# Allegro board BeagleBone AI -64_PCB_V1.02_211119.brd (continued)
## Routing (per net, layer and track width the routed paths; a pad name or vN(x,y) marks a point on that pad's centre or on a via; arc(x,y) is an arc through that point) (continued)
LPDDR4_DQ7: length 31.6
  TOP w0.264: U25.B4 23.99,37.72 24.39,38.04 v1(24.39,38.04) ; U19.A4 v1(2.91,37.58)
  L5-SIGNAL w0.159: v1(24.39,38.04) 24.67,37.76 24.67,37.76 24.78,37.64 24.78,37.1 24.29,36.61 21.61,36.61 20.83,35.82 20.26,35.82 19.89,35.82 19.43,35.36 17.03,35.36 16.55,34.88 12.12,34.88 11.89,35.1 11.89,35.49 12.13,35.72 13.88,35.72 14.07,35.91 14.07,36.22 13.88,36.41 9.66,36.41 8.52,37.55 6.53,37.55 5.64,36.66 3.83,36.66 v1(2.91,37.58)
LPDDR4_DQ8: length 25.5
  TOP w0.264: U19.D1 4.91,40.38 v1(5.31,39.98) ; U25.B11 v1(17.99,37.39)
  L3-SIGNAL w0.159: v1(5.31,39.98) 5.72,39.98 5.88,40.14 6.44,40.14 6.56,40.01 6.56,39.54 6.71,39.39 6.98,39.39 7.15,39.57 7.15,40.06 7.3,40.22 11.53,40.22 12.22,39.53 12.62,39.53 12.78,39.38 12.78,38.19 12.94,38.04 13.33,38.04 13.49,38.19 13.49,42.01 13.6,42.12 14.02,42.12 14.17,41.97 14.17,38.62 14.36,38.44 15.19,38.44 15.2,38.44 18.15,38.44 18.38,38.21 18.38,37.88 v1(17.99,37.39)
LPDDR4_DQ9: length 25.5
  TOP w0.264: U25.C11 v1(17.99,38.04) ; U19.C4 v1(2.91,39.18)
  L3-SIGNAL w0.159: v1(17.99,38.04) 17.29,37.35 15.85,37.35 15.69,37.5 15.69,37.83 15.54,37.98 15.31,37.98 15.16,37.83 15.16,37.5 15.01,37.35 14.78,37.35 14.63,37.5 14.63,37.83 14.48,37.98 14.25,37.98 14.09,37.83 14.09,37.5 13.94,37.35 12.66,37.35 12.32,37.69 12.32,38.84 12.13,39.04 11.91,39.04 11.43,38.55 11.11,38.55 10.9,38.76 10.9,39.63 10.78,39.76 9.94,39.76 9.76,39.58 9.76,39.1 9.61,38.95 9.4,38.95 9.24,39.1 9.24,39.53 9.09,39.68 8.88,39.68 8.71,39.51 8.71,39.07 8.56,38.91 8.33,38.91 8.18,39.07 8.18,39.58 8.01,39.74 7.8,39.74 7.64,39.59 7.64,39.08 7.49,38.93 6.12,38.93 5.71,39.34 5.71,39.35 5.48,39.58 5.47,39.58 5.47,39.59 4.35,39.59 4.11,39.82 4.11,39.9 4.11,39.91 4.11,40.18 3.91,40.38 3.55,40.38 3.31,40.15 3.31,39.59 v1(2.91,39.18)
LPDDR4_DQ10: length 25.5
  TOP w0.264: U25.E11 v1(17.99,39.99) ; v1(5.31,41.58) 4.91,41.98 U19.F1
  L3-SIGNAL w0.159: v1(17.99,39.99) 17.57,39.58 17.14,39.58 17.14,39.58 16.71,39.58 16.56,39.73 15.96,39.73 15.81,39.58 15.49,39.58 15.34,39.73 15.34,42.87 14.89,43.32 11.03,43.32 10.8,43.09 10.8,41.57 10.65,41.42 10.32,41.42 10.17,41.57 10.17,43.11 10.01,43.26 9.71,43.26 9.54,43.09 9.54,41.61 9.39,41.46 9.08,41.46 8.93,41.61 8.93,42.04 8.78,42.2 8.55,42.2 8.4,42.04 8.4,41.61 8.24,41.46 8.01,41.46 7.86,41.61 7.86,42.04 7.71,42.2 7.48,42.2 7.33,42.04 7.33,41.61 7.18,41.46 6.86,41.46 6.72,41.6 6.72,42.04 6.57,42.2 6.33,42.2 6.03,41.9 6.03,41.72 5.89,41.58 v1(5.31,41.58)
LPDDR4_DQ11: length 25.5
  TOP w0.264: U25.F11 18.39,40.32 v1(18.79,39.99) ; U19.G2 v1(4.51,42.38)
  L3-SIGNAL w0.159: v1(4.51,42.38) 4.91,41.99 5.48,41.99 6.14,42.65 8.91,42.65 9.06,42.81 9.06,43.04 8.91,43.19 6.51,43.19 6.36,43.34 6.36,43.57 6.51,43.72 8.02,43.72 8.37,44.07 9.14,44.07 9.5,43.72 15.14,43.72 15.8,43.06 15.8,40.43 16.04,40.19 16.64,40.19 16.89,40.44 18.15,40.44 18.44,40.15 18.63,40.15 v1(18.79,39.99)
LPDDR4_DQ12: length 25.5
  TOP w0.264: v1(4.51,41.58) 4.51,41.58 U19.F2 ; v1(19.59,39.99) 19.99,40.32 U25.F9
  L3-SIGNAL w0.159: v1(19.59,39.99) 19.88,39.99 19.99,40.11 19.99,40.33 19.84,40.48 18.49,40.48 18.12,40.85 17.16,40.85 16.99,41.02 16.45,41.02 16.25,41.22 16.25,43.25 15.33,44.18 9.69,44.18 9.15,44.71 8.09,44.71 7.94,44.56 7.94,44.36 7.78,44.2 7.26,44.2 7.11,44.36 7.11,44.56 6.96,44.71 6.49,44.71 5.75,43.98 5.75,42.95 5.58,42.78 5.07,42.78 4.9,42.94 4.9,43.02 4.91,43.02 4.91,43.35 4.9,43.35 4.9,43.4 4.72,43.59 4.3,43.59 4.11,43.4 4.11,41.74 4.26,41.58 v1(4.51,41.58)
LPDDR4_DQ13: length 25.5
  TOP w0.264: U25.E9 19.99,39.67 v1(20.39,39.99) ; v1(3.71,41.58) 3.71,41.58 U19.F3
  L3-SIGNAL w0.159: v1(20.39,39.99) 20.59,39.99 20.81,40.22 20.81,40.64 20.56,40.9 18.61,40.9 18.2,41.31 17.26,41.31 16.71,41.86 16.71,43.46 15.51,44.66 9.88,44.66 9.37,45.17 6.26,45.17 5.48,44.39 3.52,44.39 3.31,44.18 U19.F3 v1(3.71,41.58)
LPDDR4_DQ14: length 25.5
  TOP w0.264: U25.C9 v1(20.39,38.04) ; U19.D3 v1(3.71,39.98)
  L3-SIGNAL w0.159: v1(3.71,39.98) 3.71,39.74 3.87,39.58 3.88,39.58 4.11,39.35 4.11,39.03 4.11,39.02 4.11,39.02 4.35,38.79 5.62,38.79 5.96,38.45 10.54,38.45 10.78,38.21 10.78,37.52 11.07,37.23 11.69,37.23 12.13,36.79 17.99,36.79 18.78,37.57 18.78,38.06 19.59,38.87 20.84,38.87 21.06,38.65 21.06,37.93 20.79,37.65 20.79,37.07 20.58,36.86 20.22,36.86 19.99,37.1 19.99,37.65 v1(20.39,38.04)
LPDDR4_DQ15: length 25.5
  TOP w0.264: U25.B9 v1(19.59,37.39) ; U19.F5 v1(2.11,41.58)
  L3-SIGNAL w0.159: v1(19.59,37.39) 19.59,36.82 19.8,36.61 19.8,36.28 19.39,35.87 11.7,35.87 11.28,36.28 9.52,36.28 8.69,37.12 1.99,37.12 1.71,37.4 1.71,41.18 v1(2.11,41.58)
LPDDR4_DQ16: length 31.5
  TOP w0.264: v1(2.11,45.58) 2.11,45.58 U19.L5 ; v1(25.19,50.4) 25.59,50.07 U25.AA2
  L5-SIGNAL w0.159: v1(25.19,50.4) 25.06,50.52 24.47,50.52 24.14,50.85 22.61,50.85 22.41,51.05 22.41,51.35 22.41,51.39 22.29,51.51 21.92,51.51 21.76,51.35 21.76,50.67 21.6,50.51 20.94,50.51 20.79,50.67 20.79,51.67 20.56,51.9 8.01,51.9 7.12,51.01 7.12,49.55 6.76,49.19 4.33,49.19 4.11,48.97 4.11,48.6 3.89,48.38 3.53,48.38 3.31,48.17 3.31,47.8 3.09,47.58 2.7,47.58 2.51,47.39 2.51,45.98 v1(2.11,45.58)
LPDDR4_DQ17: length 31.5
  TOP w0.264: U19.M5 1.71,46.78 v1(2.11,46.38) ; U25.Y2 25.99,49.75 v1(25.99,49.75)
  L5-SIGNAL w0.159: v1(25.99,49.75) 25.99,50.74 23.89,52.84 7.55,52.84 5.16,50.44 4,50.44 3.31,49.75 3.31,49.4 3.1,49.19 2.73,49.19 2.51,48.97 2.51,48.6 2.29,48.38 1.95,48.38 1.71,48.15 1.71,46.78 v1(2.11,46.38)
LPDDR4_DQ18: length 31.5
  TOP w0.264: v1(2.11,47.18) 1.71,47.58 U19.N5
  TOP w0.305: v1(25.99,48.45) 25.82,48.28 25.79,48.28 25.63,48.12 U25.V2
  L5-SIGNAL w0.159: v1(2.11,47.18) 2.11,47.39 2.51,47.79 2.51,48.15 2.74,48.38 3.07,48.38 3.08,48.39 3.31,48.62 3.31,48.62 3.31,48.95 3.55,49.19 3.9,49.19 4.11,49.4 4.11,49.75 4.35,49.99 6.4,49.99 6.67,50.25 6.67,51.29 7.76,52.38 23.73,52.38 24.39,51.73 24.39,51.1 24.62,50.86 25.33,50.86 25.59,50.61 25.59,48.85 v1(25.99,48.45)
LPDDR4_DQ19: length 31.5
  TOP w0.264: v1(25.19,47.15) 25.19,47.15 U25.U2 ; U19.L4 2.91,45.58 v1(2.91,45.58)
  L5-SIGNAL w0.159: v1(2.91,45.58) 3.31,45.18 3.31,43.06 3.31,43.06 3.31,43.02 3.55,42.78 5.7,42.78 6.05,43.13 8.62,43.13 9.12,43.63 14.85,43.63 15.05,43.83 15.05,44.53 15.2,44.69 15.74,44.69 15.9,44.53 15.9,43.75 16.05,43.59 22.21,43.59 23.02,44.41 23.66,44.41 23.99,44.74 23.99,47.54 24.17,47.72 24.6,47.72 25.17,47.15 v1(25.19,47.15)
LPDDR4_DQ20: length 31.5
  TOP w0.264: v1(4.51,45.58) 4.11,45.98 U19.L2 ; U25.U4 23.59,47.15 v1(23.59,47.15)
  L5-SIGNAL w0.159: v1(23.59,47.15) 23.18,46.75 23.18,45 22.96,44.78 22.07,44.78 21.69,44.4 16.72,44.4 15.82,45.3 14.44,45.3 14.03,44.89 14.03,44.5 13.88,44.35 13.65,44.35 13.5,44.5 13.5,44.89 13.35,45.04 13.12,45.04 12.96,44.89 12.96,44.24 12.81,44.09 12.58,44.09 12.43,44.24 12.43,44.89 12.28,45.04 12.05,45.04 11.9,44.89 11.9,44.24 11.75,44.09 11.52,44.09 11.36,44.24 11.36,44.89 11.21,45.04 10.98,45.04 10.83,44.89 10.83,44.24 10.68,44.09 10.45,44.09 10.3,44.24 10.3,44.89 10.15,45.04 9.87,45.04 8.41,43.58 4.35,43.58 4.11,43.82 4.11,45.18 v1(4.51,45.58)
LPDDR4_DQ21: length 31.5
  TOP w0.264: U25.V4 23.59,47.8 v1(23.59,47.8) ; U19.L1 4.91,45.98 v1(5.31,45.58)
  L5-SIGNAL w0.159: v1(5.31,45.58) 5.31,45.51 6.69,44.13 8.29,44.13 9.26,45.09 9.26,46.97 9.71,47.43 11.42,47.43 11.62,47.23 11.62,46.92 11.47,46.77 10.02,46.77 9.87,46.62 9.87,46.34 10.07,46.13 12.41,46.13 12.94,45.6 13.19,45.6 13.46,45.86 13.46,46.27 13.59,46.41 14.2,46.41 14.35,46.26 14.35,45.92 14.52,45.75 16.04,45.75 17.08,44.71 21.1,44.71 22.04,45.65 22.04,46.94 22.29,47.19 22.29,48.1 22.49,48.3 23.08,48.3 23.25,48.13 23.25,48.12 23.58,47.8 v1(23.59,47.8)
LPDDR4_DQ22: length 31.5
  TOP w0.264: v1(23.59,49.75) 23.99,49.42 U25.Y4 ; U19.N2 4.51,47.18 v1(4.51,47.18)
  L5-SIGNAL w0.159: v1(23.59,49.75) 23.18,50.15 22.24,50.15 21.42,49.33 19.77,49.33 18.2,50.91 17.1,50.91 16.85,50.66 16.85,50.24 16.72,50.11 16.72,49.82 16.57,49.66 16.15,49.66 15.99,49.51 15.99,49.28 16.15,49.13 16.57,49.13 16.72,48.98 16.72,48.58 16.36,48.22 15.67,48.22 15.52,48.37 15.52,49.53 15.28,49.77 13.5,49.77 13.35,49.92 13.35,50.73 13.19,50.88 9.69,50.88 9.54,50.73 9.54,50.09 9.38,49.94 9.16,49.94 9,50.1 9,50.73 8.85,50.88 8.49,50.88 8.34,50.73 8.34,48.7 6.97,47.33 6.34,47.33 5.97,47.7 5.59,47.7 5.48,47.58 5.47,47.58 5.47,47.58 5.15,47.58 4.91,47.58 v1(4.51,47.18)
LPDDR4_DQ23: length 31.5
  TOP w0.264: v1(24.39,49.75) 24.38,49.75 U25.AA4 ; v1(2.91,47.18) 2.91,47.18 U19.N4
  L5-SIGNAL w0.159: v1(24.39,49.75) 24.39,50.17 24.04,50.51 22.08,50.51 21.71,50.15 20.55,50.15 19.89,50.81 18.96,50.81 18.43,51.34 14.86,51.34 14.7,51.19 14.7,50.97 14.86,50.81 16.24,50.81 16.39,50.66 16.39,50.43 16.24,50.27 14.07,50.27 13.84,50.5 13.84,51.19 13.68,51.34 8.14,51.34 7.8,51 7.8,49.49 6.69,48.38 4.34,48.38 4.11,48.15 4.11,47.8 3.9,47.59 3.89,47.59 3.88,47.58 3.55,47.58 3.54,47.59 3.53,47.59 3.12,47.18 v1(2.91,47.18)
LPDDR4_DQ24: length 21.9
  TOP w0.264: v1(17.99,50.4) 18.39,50.07 U25.AA11 ; v1(3.71,49.59) 3.71,49.59 U19.T3
  L3-SIGNAL w0.159: v1(17.99,50.4) 17.68,50.71 17.13,50.71 15.86,51.98 13.73,51.98 13.57,51.82 13.57,51.19 13.42,51.04 13.08,51.04 12.95,51.16 12.95,51.88 12.75,52.08 12.48,52.08 12.32,51.91 12.32,50.71 12.16,50.55 11.94,50.55 11.78,50.71 11.78,51.01 11.56,51.23 9.21,51.23 8.92,51.52 8.92,51.9 8.77,52.05 8.54,52.05 8.39,51.9 8.39,51.66 8.24,51.5 8.01,51.5 7.86,51.66 7.86,51.9 7.71,52.05 7.48,52.05 7.32,51.9 7.32,51.66 7.15,51.48 6.94,51.48 5.85,50.39 4.51,50.39 v1(3.71,49.59)
LPDDR4_DQ25: length 21.9
  TOP w0.264: U25.Y11 17.99,49.74 v1(17.99,49.75) ; v1(4.51,49.59) 4.12,49.98 U19.T2
  L3-SIGNAL w0.159: v1(4.51,49.59) 4.51,49.77 4.73,49.99 5.53,49.99 5.96,49.56 6.18,49.56 6.44,49.82 6.44,50.33 6.94,50.83 10.7,50.83 11.52,50.02 12.7,50.02 12.85,50.17 12.85,50.37 13,50.52 13.23,50.52 13.38,50.37 13.38,50.17 13.54,50.02 13.88,50.02 14.03,50.17 14.03,51.34 14.18,51.49 14.54,51.49 14.72,51.32 14.72,50.15 14.87,50 15.23,50 15.38,50.15 15.38,51.21 15.53,51.36 15.79,51.36 16.3,50.85 16.3,50.07 16.46,49.91 16.79,49.91 17.02,50.14 17.59,50.14 v1(17.99,49.75)
LPDDR4_DQ26: length 21.9
  TOP w0.264: U25.V11 18.39,48.12 v1(17.99,47.8) ; U19.P2 v1(4.51,47.98)
  L3-SIGNAL w0.159: v1(17.99,47.8) 17.59,48.19 16.98,48.19 16.33,47.55 16.28,47.55 16.14,47.4 15.17,47.4 14.92,47.66 14.92,48.01 14.63,48.29 13.53,48.29 13.37,48.13 13.37,47.33 13.19,47.15 12.88,47.15 12.72,47.3 12.72,48.15 12.58,48.29 12.13,48.29 11.97,48.13 11.97,47.3 11.82,47.15 11.26,47.15 10.86,47.56 10.38,47.56 9.97,47.15 8.21,47.15 8.06,47.3 8.06,48.01 7.9,48.17 7.63,48.17 7.48,48.01 7.48,47.28 7.35,47.15 7.05,47.15 6.89,47.3 6.89,47.76 6.74,47.91 6.51,47.91 6.36,47.76 6.36,47.4 6.21,47.25 5.95,47.25 5.62,47.58 4.91,47.58 v1(4.51,47.98)
LPDDR4_DQ27: length 21.9
  TOP w0.264: v1(3.71,47.98) 3.71,47.98 U19.P3 ; U25.U11 18.39,47.47 v1(18.79,47.8)
  L3-SIGNAL w0.159: v1(3.71,47.98) 4.11,47.58 4.11,47.02 4.35,46.79 6.14,46.79 6.23,46.69 13.17,46.69 13.33,46.53 13.33,46.16 13.48,46.01 13.78,46.01 13.9,46.13 13.9,47.75 14.05,47.9 14.35,47.9 14.49,47.75 14.49,47.03 14.65,46.87 15.56,46.87 15.71,46.72 15.71,46.23 15.87,46.07 16.16,46.07 16.33,46.25 16.33,47.04 16.69,47.4 18.39,47.4 v1(18.79,47.8)
LPDDR4_DQ28: length 21.9
  TOP w0.264: v1(19.59,47.8) 19.91,47.47 U25.U9 ; U19.P5 1.71,48.38 v1(2.11,47.98)
  L3-SIGNAL w0.159: v1(2.11,47.98) 2.33,47.98 2.73,47.58 2.74,47.58 2.75,47.58 3.08,47.58 3.08,47.58 3.09,47.58 3.31,47.36 3.31,47.35 3.31,47.35 3.31,47.02 3.55,46.78 3.88,46.78 3.88,46.78 3.89,46.78 4.11,46.56 4.11,46.55 4.11,46.55 4.11,46.22 4.11,46.22 4.11,46.2 4.33,45.98 5.55,45.98 5.73,46.16 12.63,46.16 13.18,45.61 16.38,45.61 16.72,45.96 16.72,46.69 16.92,46.89 19.39,46.89 19.59,47.09 v1(19.59,47.8)
LPDDR4_DQ29: length 21.9
  TOP w0.264: v1(20.39,48.45) 20.31,48.45 U25.V9 ; U19.R4 2.91,48.79 v1(2.91,48.79)
  L3-SIGNAL w0.159: v1(20.39,48.45) 20.67,48.73 20.76,48.73 20.88,48.85 20.88,49.19 20.72,49.35 16,49.35 15.78,49.56 11.39,49.56 10.53,50.43 7.17,50.43 6.92,50.17 6.92,49.26 6.76,49.1 5.77,49.1 5.68,49.19 3.55,49.19 3.15,48.79 v1(2.91,48.79)
LPDDR4_DQ30: length 21.9
  TOP w0.264: U19.T4 2.51,49.99 v1(2.91,49.59) ; U25.Y9 20.39,49.74 v1(20.39,49.75)
  L3-SIGNAL w0.159: v1(2.91,49.59) 2.91,49.72 4.11,50.92 4.11,51.35 4.35,51.59 5.7,51.59 7.03,52.91 9.75,52.91 10.09,52.56 11.54,52.56 11.92,52.94 16.2,52.94 17.52,51.62 17.71,51.62 19.59,49.75 v1(20.39,49.75)
LPDDR4_DQ31: length 21.9
  TOP w0.264: v1(19.59,50.4) 19.99,50.07 U25.AA9 ; v1(2.11,49.59) 1.71,49.99 U19.T5
  L3-SIGNAL w0.159: v1(2.11,49.59) 3.31,50.79 3.31,51.34 3.31,51.34 3.31,51.35 3.55,51.58 3.88,51.58 3.88,51.58 3.89,51.58 4.11,51.8 4.11,52.19 4.3,52.38 4.35,52.38 4.35,52.38 5.9,52.38 6.86,53.34 16.45,53.34 19.11,50.68 19.31,50.68 v1(19.59,50.4)
LPDDR4_DQS0_N: length 31.6
  TOP w0.167: v1(5.31,38.38) 5.31,38.38 U19.B1 ; U25.E3 v1(25.19,39.34)
  L5-SIGNAL w0.151: v1(5.31,38.38) 5.42,38.49 5.6,38.49 6.08,38.97 7.1,38.97 7.43,39.3 7.43,40.25 7.58,40.41 7.78,40.41 8.01,40.18 8.01,39.35 8.34,39.02 8.85,39.02 9.26,39.43 9.26,40.21 9.41,40.36 9.69,40.36 9.84,40.21 9.84,39.94 10.17,39.6 10.78,39.6 11.11,39.94 11.11,40.19 11.26,40.34 11.67,40.34 11.82,40.19 11.82,38.26 12.18,37.91 12.77,37.91 13.14,38.28 13.14,40.09 13.29,40.24 13.63,40.24 13.78,40.09 13.78,39.35 14.21,38.92 14.82,38.92 15.56,39.66 16.29,39.66 17.36,38.59 23.76,38.59 23.94,38.77 24.25,38.77 24.57,38.77 25.15,39.34 v1(25.19,39.34)
LPDDR4_DQS0_P: length 31.6
  TOP w0.167: U25.D3 24.71,39.02 v1(24.39,39.34) ; U19.B2 v1(4.51,38.38)
  L5-SIGNAL w0.151: v1(24.39,39.34) 24.08,39.34 23.63,38.9 17.48,38.9 16.42,39.96 15.43,39.96 14.69,39.22 14.34,39.22 14.08,39.48 14.08,40.21 13.75,40.54 13.17,40.54 12.84,40.22 12.84,38.4 12.65,38.21 12.3,38.21 12.13,38.39 12.13,40.32 11.79,40.65 11.14,40.65 10.8,40.32 10.8,40.06 10.65,39.91 10.3,39.91 10.15,40.06 10.15,40.34 9.81,40.67 9.28,40.67 8.95,40.34 8.95,39.56 8.72,39.33 8.47,39.33 8.32,39.48 8.32,40.3 7.91,40.71 7.46,40.71 7.12,40.38 7.12,39.43 6.97,39.27 5.95,39.27 5.47,38.8 5.29,38.8 5.28,38.79 5.16,38.79 5.15,38.78 5.15,38.78 4.92,38.55 4.92,38.54 4.76,38.38 v1(4.51,38.38)
LPDDR4_DQS1_N: length 25.5
  TOP w0.167: U25.E10 19.26,39.67 v1(19.59,39.34) ; U19.E2 v1(4.51,40.78)
  L3-SIGNAL w0.151: v1(4.51,40.78) 4.92,40.38 5.48,40.38 5.76,40.66 11.22,40.66 11.54,40.98 11.54,42.39 11.67,42.51 11.84,42.51 11.97,42.39 11.97,40.75 12.29,40.42 12.75,40.42 13.07,40.74 13.07,42.41 13.23,42.58 14.46,42.58 14.56,42.48 14.56,39.18 14.88,38.86 17.67,38.86 18.13,38.86 18.27,38.72 18.79,38.72 19.41,39.34 v1(19.59,39.34)
LPDDR4_DQS1_P: length 25.5
  TOP w0.167: U19.E3 3.71,40.78 v1(3.71,40.78) ; v1(18.79,39.34) 18.79,39.34 U25.D10
  L3-SIGNAL w0.151: v1(3.71,40.78) 3.71,40.89 3.77,40.95 3.88,40.95 4.11,41.18 5.48,41.18 5.69,40.97 11.09,40.97 11.24,41.11 11.24,42.51 11.54,42.82 11.97,42.82 12.27,42.51 12.27,40.87 12.42,40.73 12.62,40.73 12.76,40.87 12.76,42.54 13.11,42.88 14.59,42.88 14.87,42.6 14.87,39.3 15.01,39.16 17.54,39.16 17.54,39.16 18.25,39.16 18.4,39.02 18.66,39.02 18.79,39.15 v1(18.79,39.34)
LPDDR4_DQS2_N: length 31.5
  TOP w0.167: v1(4.51,46.38) 4.51,46.38 U19.M2 ; v1(25.19,48.45) 24.79,48.12 U25.V3
  L5-SIGNAL w0.151: v1(4.51,46.38) 4.92,45.98 5.48,45.98 5.59,46.08 6.34,46.08 6.49,45.93 6.49,45.3 7.1,44.69 8.06,44.69 8.75,45.37 8.75,47.4 9.81,48.47 11.95,48.47 12.13,48.29 12.13,47.07 12.54,46.66 13.08,46.66 13.52,47.1 13.52,48.29 13.78,48.55 14.08,48.55 14.23,48.4 14.23,47.28 14.62,46.89 21.26,46.89 21.88,47.5 21.88,48.21 22.29,48.62 23.65,48.62 24.22,48.05 24.79,48.05 v1(25.19,48.45)
LPDDR4_DQS2_P: length 31.5
  TOP w0.167: U25.W3 24.71,48.77 v1(24.39,48.45) ; v1(3.71,46.38) 3.71,46.38 U19.M3
  L5-SIGNAL w0.151: v1(3.71,46.38) 3.71,46.51 3.99,46.79 5.6,46.79 6,46.39 6.46,46.39 6.79,46.06 6.79,45.42 7.22,44.99 7.94,44.99 8.44,45.5 8.44,47.53 9.69,48.78 12.08,48.78 12.43,48.42 12.43,47.2 12.67,46.96 12.96,46.96 13.22,47.23 13.22,48.42 13.65,48.85 14.21,48.85 14.54,48.52 14.54,47.4 14.75,47.19 21.14,47.19 21.57,47.63 21.57,48.34 22.16,48.93 23.8,48.93 24.28,48.45 v1(24.39,48.45)
LPDDR4_DQS3_N: length 21.9
  TOP w0.167: v1(19.59,48.45) 19.26,48.12 U25.V10 ; U19.R1 5.31,48.79 v1(5.31,48.79)
  L3-SIGNAL w0.151: v1(19.59,48.45) 19.08,48.96 16.6,48.96 15.94,48.29 15.68,48.29 15.53,48.44 15.53,48.75 15.2,49.08 11.64,49.08 11.31,48.75 10.81,48.75 10.63,48.93 10.63,49.61 10.22,50.02 9.71,50.02 9.33,49.64 9.33,48.14 9.15,47.95 8.93,47.95 8.84,48.05 8.84,49.65 8.52,49.97 7.68,49.97 7.35,49.64 7.35,49.39 7.35,49 7.05,48.7 5.4,48.7 v1(5.31,48.79)
LPDDR4_DQS3_P: length 21.9
  TOP w0.167: U19.R2 4.11,49.19 v1(4.51,48.79) ; v1(18.79,48.45) 18.79,48.45 19.18,48.77 U25.W10
  L3-SIGNAL w0.151: v1(18.79,48.45) 18.58,48.65 16.73,48.65 16.06,47.99 15.55,47.99 15.23,48.32 15.23,48.63 15.08,48.78 11.77,48.78 11.44,48.45 10.68,48.45 10.32,48.8 10.32,49.49 10.09,49.72 9.84,49.72 9.64,49.51 9.64,48.01 9.27,47.65 8.81,47.65 8.53,47.92 8.53,49.53 8.39,49.67 7.81,49.67 7.66,49.51 7.66,48.87 7.18,48.39 4.9,48.39 v1(4.51,48.79)
LPDDR4_ODT_CA_A: length 5.6
  TOP w0.229: U25.G2 25.66,40.97 v1(25.99,41.29)
  L3-SIGNAL w0.102: v1(28.5,39.8) 28.22,39.52 26.36,39.52 25.63,40.26 25.63,40.93 v1(25.99,41.29)
  BOTTOM w0.165: v1(28.5,39.8) 28.84,39.8 28.88,39.76 R38.2
LPDDR4_ODT_CA_B: length 1.8
  TOP w0.229: v1(25.99,47.15) 25.66,46.82 U25.T2
  BOTTOM w0.165: v1(25.99,47.15) 26.6,47.76 R39.2
LPDDR4_RST#: length 23
  TOP w0.229: v1(1.31,44.78) 0.91,45.18 U19.K6 ; U25.T11 18.39,46.82 v1(17.99,46.5)
  L3-SIGNAL w0.102: v1(1.31,44.78) 1.71,44.39 2.37,44.39 2.53,44.55 2.53,44.95 2.76,45.18 5.44,45.18 5.88,45.62 9.69,45.62 10.2,45.12 12.02,45.12 v1(12.41,45.5) 12.79,45.12 16.32,45.12 16.63,44.81 17.32,44.81 17.59,45.08 17.59,46.1 v1(17.99,46.5)
  BOTTOM w0.229: v1(12.41,45.5) 12.86,45.5 13.73,46.36 R66.1
LPDDR4_ZQ0: length 1.8
  TOP w0.229: U25.A5 23.26,37.07 v1(23.59,37.39)
  BOTTOM w0.229: v1(23.59,37.39) 23.15,37.39 22.95,37.19 R42.2
LPDDR4_ZQ1: length 2.2
  TOP w0.229: v1(21.19,37.39) 20.86,37.07 U25.A8 20.79,37.07 v1(21.19,37.39)
  BOTTOM w0.229: v1(21.19,37.39) 21.48,37.39 21.8,37.07 R43.2
LS2_CT: length 1.3
  TOP w0.254: U23.6 18.49,26.97 18.62,27.1 C455.1
M2_USB1_DN3_D_N: length 9.4
  TOP w0.13: v1(51.9,75.63) 52.15,75.38 52.62,75.38 52.91,75.09 52.91,74.16 52.49,73.75 51.22,73.75 51.09,73.62 51.09,73.41 D42.2 51.42,73.08 L26.3
  BOTTOM w0.13: 50.73,73.47 J4.5 50.73,74.33 50.85,74.44 50.85,74.9 51.34,75.39 51.66,75.39 v1(51.9,75.63)
M2_USB1_DN3_D_P: length 9.4
  TOP w0.13: L26.2 50.57,72.83 50.63,72.89 D42.3 50.82,73.38 50.82,73.67 50.73,73.75 50.73,74.29 50.86,74.42 51.06,74.42 51.19,74.29 51.19,74.14 51.31,74.02 52.38,74.02 52.64,74.28 52.64,74.98 52.51,75.11 52.15,75.11 v1(51.9,74.86)
  BOTTOM w0.13: v1(51.9,74.86) 51.64,75.12 51.45,75.12 51.12,74.79 51.12,74.44 51.23,74.33 J4.3 51.23,73.47
M.2_I2C0_SCL: length 34.4
  TOP w0.229: U19.AC5 1.71,55.59 v1(2.11,55.99)
  L5-SIGNAL w0.102: v1(28.41,60.5) 28,60.5 27.57,60.94 26.64,60.94 25.31,59.6 24.58,59.6 22.87,57.89 22.84,57.89 22.59,57.63 19.34,57.63 19.03,57.94 16.41,57.94 15.75,57.28 14.79,57.28 v1(14.36,56.85)
  L12-SIGNAL w0.102: v1(2.11,55.99) 2.11,56.23 2.52,56.64 2.52,56.95 2.75,57.18 5.43,57.18 5.75,56.86 5.75,56.59 6.18,56.16 9.25,56.16 9.48,55.93 12.08,55.93 13.06,56.91 13.9,56.91 13.96,56.85 v1(14.36,56.85)
  BOTTOM w0.165: R52.2 15.58,57.06 15.37,56.85 15.27,56.85 15.27,56.85 v1(14.36,56.85) ; U2.13 v1(28.41,60.5)
M.2_I2C0_SCL_1V8: length 10
  TOP w0.165: v1(32.34,59.82) 32.11,59.82 R332.2
  BOTTOM w0.165: U2.2 32.14,59.34 32.36,59.56 32.36,59.8 v1(32.34,59.82) 32.04,60.12 32.04,60.94 32.95,61.85 33.61,61.85 36.98,65.22 J4.60 36.98,66.17
M.2_I2C0_SDA: length 33.2
  TOP w0.229: v1(2.11,54.39) 2.11,54.38 U19.AA5
  L3-SIGNAL w0.102: v1(27.21,59.64) 27.21,55.35 26.55,54.69 18.9,54.69 18.47,55.12 18.45,55.13 17,55.13 16.89,55.02 v1(16.05,55.02)
  L12-SIGNAL w0.102: v1(16.05,55.02) 15.09,54.06 5.83,54.06 5.76,53.99 2.75,53.99 2.35,54.39 v1(2.11,54.39)
  BOTTOM w0.165: R54.2 v1(16.05,55.02) ; U2.12 27.76,58.84 27.51,59.09 27.51,59.34 v1(27.21,59.64)
M.2_I2C0_SDA_1V8: length 11.1
  TOP w0.165: v1(32.52,60.5) R331.2
  BOTTOM w0.165: U2.3 32.53,58.84 32.82,59.13 32.82,60.2 v1(32.52,60.5) 32.52,60.93 33.11,61.52 33.75,61.52 37.48,65.26 J4.58 37.48,66.17
M.2_I2C_ALERT#_1V8: length 10.8
  L12-SIGNAL w0.102: v1(33.2,62.31) 32.89,61.99 32.89,59.73 v1(33.26,59.35)
  BOTTOM w0.165: v1(33.2,62.31) 33.6,62.31 36.48,65.19 J4.62 36.48,66.17 ; U2.4 32.69,58.34 33.26,58.91 v1(33.26,59.35)
M.2_LED1#: length 1.2
  BOTTOM w0.165: 50.48,66.17 J4.6 v1(50.48,64.99)
M.2_LED2#: length 2.1
  TOP w0.165: TP11.1 47.71,64.24 v1(47.71,64.62)
  BOTTOM w0.165: v1(47.71,64.62) 47.98,64.9 J4.16 47.98,66.17
M.2_MCASP10_ACLKX_1.8V: length 7.7
  TOP w0.165: v1(47.28,69.52) 47.8,69 47.8,68.25 47.52,67.97 U32.1
  BOTTOM w0.165: v1(47.28,69.52) 47.58,69.22 49.35,69.22 49.98,68.59 J4.8
M.2_MCASP10_AFSX_1.8V: length 8.5
  TOP w0.165: v1(46.14,70.48) 46.14,70.05 46.14,70.04 U32.3
  BOTTOM w0.165: v1(46.14,70.48) 46.14,70.05 46.14,70.05 46.14,69.61 46.87,68.89 49.13,68.89 49.48,68.53 J4.10
M.2_MCASP10_AXR0_1.8V: length 6.4
  TOP w0.165: U32.4 45.64,69.72 v1(45.65,69.72)
  BOTTOM w0.165: v1(45.65,69.72) 45.68,69.7 45.68,69.59 46.73,68.53 47.96,68.53 48.98,67.51 J4.12
M.2_MCASP10_AXR3_1.8V: length 7.6
  TOP w0.165: U32.5 45.14,69.85 45.17,69.88 v1(45.17,70.31)
  BOTTOM w0.165: v1(45.17,70.31) 45.17,69.88 45.19,69.86 45.19,69.34 46.64,67.9 48.04,67.9 48.48,67.45 J4.14
M.2_SDIO_RESET#_1V8: length 6.5
  TOP w0.165: Q4.3 47.92,70.42 47.91,70.44 v1(47.48,70.44) 47.48,70.91 47.48,70.91 R359.2
  BOTTOM w0.165: v1(47.48,70.44) 47.48,70.94 47.11,71.32 46.73,71.32 46.23,71.81 J4.23
M.2_SDIO_WAKE#_1V8: length 34.9
  TOP w0.165: v1(48.24,70.92) R361.2
  L5-SIGNAL w0.102: v1(50.02,61.39) 49.64,61.77 49.64,69.52 v1(48.24,70.92)
  L10-SIGNAL w0.102: v1(33.81,59.06) 39.55,59.06 40.14,59.64 40.14,61.19 40.67,61.72 49,61.72 49.33,61.39 v1(50.02,61.39)
  BOTTOM w0.165: U2.5 32.73,57.84 33.81,58.93 v1(33.81,59.06) ; J4.21 46.73,72.65 48.24,71.14 v1(48.24,70.92)
M.2_SUSCLK: length 15.4
  BOTTOM w0.165: R4.1 47.58,62.84 47,63.43 46.13,63.43 45.5,64.06 41.13,64.06 40.16,65.03 39.65,65.03 39.48,65.2 J4.50 39.48,66.17
M.2_UART1_CTSN_1.8V: length 4.3
  TOP w0.165: U32.8 v1(43.64,69.72)
  BOTTOM w0.165: J4.34 43.48,69.14 43.64,69.3 v1(43.64,69.72)
M.2_UART1_RTSN_1.8V: length 4.4
  TOP w0.165: v1(43.03,69.78) 43.14,69.66 U32.9
  BOTTOM w0.165: J4.36 42.98,66.17 42.98,69.65 43.03,69.7 v1(43.03,69.78)
M.2_UART1_RXD_1.8V: length 4.9
  TOP w0.165: U32.6 v1(44.64,69.68)
  BOTTOM w0.165: J4.22 46.48,67.42 44.64,69.26 v1(44.64,69.68)
M.2_UART1_TXD_1.8V: length 5
  TOP w0.165: U32.7 44.14,70.07 v1(44.15,70.08)
  BOTTOM w0.165: J4.32 43.98,69.08 44.15,69.25 v1(44.15,70.08)
MB_3V3: length 0.1
  BOTTOM w0.165: J10.4 v1(-46,15.35)
  vias: v1(-45.51,15.34) v1(-44.98,15.34)
MCU_ADC0_AIN0: length 18
  TOP w0.165: R187.1 -29.26,44.47 v1(-29.2,44.53) -29.17,44.49 R193.1
  TOP w0.229: v1(-14.69,44.78) -14.29,45.18 U19.K25
  L3-SIGNAL w0.102: v1(-14.69,44.78) -14.69,45.18 -15.06,45.54 -18.95,45.54 -19.31,45.19 -19.71,45.19 -21.48,43.42 -21.9,43.42 -22.04,43.56 -24.63,43.56 -25.92,44.85 -28.88,44.85 v1(-29.2,44.53)
MCU_ADC0_AIN1: length 17.3
  TOP w0.229: v1(-15.49,44.78) -15.09,45.18 U19.K26
  L12-SIGNAL w0.102: v1(-15.49,44.78) -15.95,45.24 -19.49,45.24 -20.44,44.29 -21.6,44.29 -21.9,44.59 -23.25,44.59 -23.5,44.34 -24.2,44.34 -24.25,44.29 -24.77,44.29 -25.34,44.85 -28.99,44.85 -29.2,45.06 -29.5,45.06 -29.55,45.01 v1(-29.94,45.01)
  BOTTOM w0.165: R148.1 R149.1 -29.96,45.03 v1(-29.94,45.01)
MCU_ADC0_AIN2: length 3.2
  TOP w0.229: v1(-17.09,44.78) -16.69,45.18 U19.K28
  BOTTOM w0.165: v1(-17.09,44.78) -18.58,44.78 -18.72,44.65 R116.1 -19.04,44.65 R117.1
MCU_ADC0_AIN3: length 5.2
  TOP w0.114: U19.L28 -17.08,45.59 -17.95,45.59
  TOP w0.165: R263.1 -20.6,46.77 R266.1 -20.18,46.76 -20.15,46.74 -19.8,46.74 -19.78,46.76 -19.12,46.76 -17.95,45.59
MCU_ADC0_AIN4: length 16.4
  TOP w0.229: v1(-13.89,44.78) -13.49,45.18 U19.K24
  L12-SIGNAL w0.102: v1(-28.06,45.39) -27.67,45.39 -27.42,45.14 -23.39,45.14 -23.18,45.34 -23.09,45.43 -22.05,45.43 -21.69,45.06 -20.8,45.06 -20.39,45.47 -19.25,45.47 -19.2,45.52 -14.63,45.52 v1(-13.89,44.78)
  BOTTOM w0.165: v1(-28.06,45.39) -28.17,45.5 R145.1
MCU_ADC0_AIN5: length 19
  TOP w0.165: v1(-31.25,43.78) -31.26,43.78 -31.26,43.79 -31.35,43.7 R178.1 R177.1
  TOP w0.229: v1(-16.29,44.78) -15.89,45.18 U19.K27
  L5-SIGNAL w0.102: v1(-16.29,44.78) -16.65,45.14 -19.7,45.14 -20.11,44.74 -20.11,44.38 -21.1,43.38 -24,43.38 -24.86,44.25 -25.41,44.25 -25.42,44.26 -27.28,44.26 -27.83,43.71 -29.29,43.71 -29.9,43.11 -30.58,43.11 v1(-31.25,43.78)
MCU_ADC0_AIN6: length 4.3
  TOP w0.165: R271.1 -20.59,43.22 R265.1 -18.77,43.91 -17.89,44.78 -17.89,44.78 U19.K29
MCU_ADC1_AIN0: length 9.6
  TOP w0.165: R273.1 -21.15,48.73 -20.6,48.17 R262.1 -20.25,48.1 -19.77,47.62 -19.77,47.61 v1(-19.35,47.19)
  TOP w0.305: U19.N23 v1(-13.07,47.2)
  L3-SIGNAL w0.102: v1(-19.35,47.19) -18.97,47.58 -13.45,47.58 v1(-13.07,47.2)
MCU_I2C0_SCL: length 86.9